# Altium PCB Cyber_VCM.PcbDoc (continued)
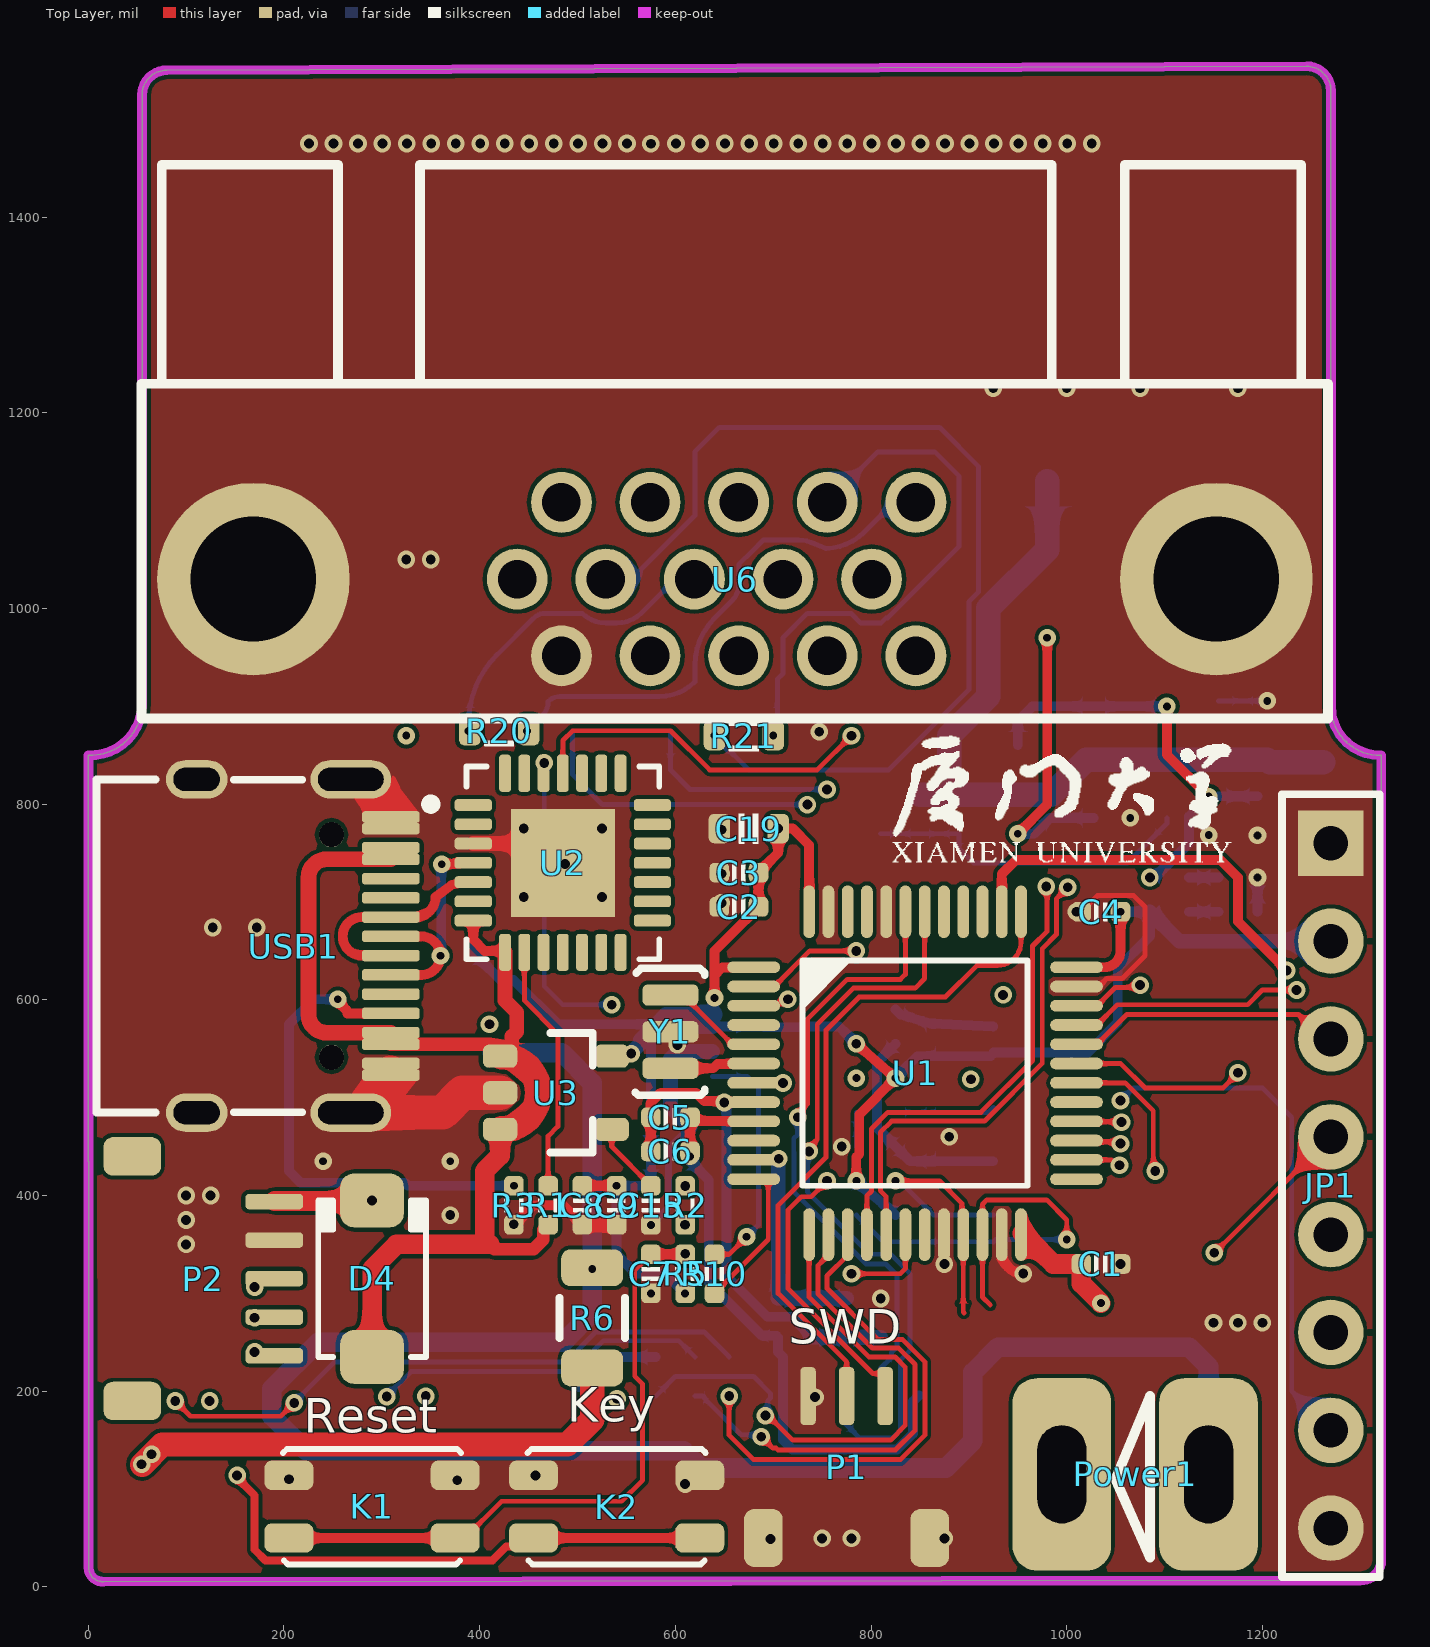
[diagram p0: Top Layer view]
## Footprints (in the part's own frame and the unit in brackets; to place one, negate y for a bottom-side part, rotate by r counter-clockwise, add the part's x,y. Pads: shape width x height; smd on the part's side, far side on the other; paste and mask are expansions set on the pad) (continued)
  rrect50% 12x38 smd mask+5: 8(-59.06,-91.5) 9(-39.37,-91.5) 10(-19.68,-91.5) 11(0,-91.5) 12(19.68,-91.5) 13(39.37,-91.5) 14(59.06,-91.5) 22(59.06,91.5) 23(39.37,91.5) 24(19.68,91.5) 25(0,91.5) 26(-19.68,91.5) 27(-39.37,91.5) 28(-59.06,91.5)
  rect 106.3x110.24 smd: 29(0,0)
  silkscreen extent -140,-98 98,98, body extent -98,-98 98,98, height 35
RES_0402 [mil]
  rrect50% 20x20 smd: 1(-20,0) 2(20,0)
  silkscreen extent -7,-10 7,10, body extent -20,-10 20,10, height 14
RES_0603 [mil]
  rrect50% 22x30 smd: 1(-30,0) 2(30,0)
  silkscreen extent -15,-16 15,16, body extent -31,-16 32,16, height 18
SH1.0-3P [mm]
  rrect50% 0.4x1.5 smd: 1(-1,0) 2(0,0) 3(1,0)
  rrect50% 1x1.5 smd: SH1(-2.159,-3.683) SH2(2.159,-3.683)
  body extent -2.5,-4.42 2.5,0.54, height 3.06
SH1.0-4P [mm]
  rrect50% 0.6x1.9 smd: 1(-1.5,1.8) 2(-0.5,1.8) 3(0.5,1.8) 4(1.5,1.8)
  rrect50% 1.4x1.8 smd: SH1(-2.8,-1.8) SH2(2.8,-1.8)
  silkscreen extent -2.9,-2.67 2.9,1.6, body extent -3,-2.79 3,2.16, height 2.96
SH1.0-5P [mm]
  rrect50% 0.4x1.5 smd: 1(-2,0) 2(-1,0) 3(0,0) 4(1,0) 5(2,0)
  rrect50% 1x1.5 smd: SH1(-3.175,-3.683) SH2(3.175,-3.683)
  body extent -3.5,-4.42 3.5,0.54, height 3.06
SOP16 [mm]
  rect 0.6x1.2 smd: 1(-4.318,-2.727) 2(-3.048,-2.727) 3(-1.778,-2.727) 4(-0.508,-2.727) 5(0.762,-2.727) 6(2.032,-2.727) 7(3.302,-2.727) 8(4.572,-2.727) 9(4.572,2.773) 10(3.302,2.773) 11(2.032,2.773) 12(0.762,2.773) 13(-0.508,2.773) 14(-1.778,2.773) 15(-3.048,2.773) 16(-4.318,2.773)
  silkscreen extent -4.44,-1.27 -4.19,-1.02, body extent -4.87,-3 5.13,3, height 1.9
"SOP65 P640X120-8N" [mm]
  rrect25% 1.27x0.381 smd: 1(-2.87,0.975) 2(-2.87,0.325) 3(-2.87,-0.325) 4(-2.87,-0.975) 5(2.87,-0.975) 6(2.87,-0.325) 7(2.87,0.325) 8(2.87,0.975)
  silkscreen extent -2.64,-1.5 2.2,1.62, body extent -3.2,-1.5 3.2,1.5, height 1.2
SOT23-5 [mm] "SOT23, 3-Leads, Body 3.1x3.0mm (max), Pitch 0.95mm, IPC Medium Density"
  rrect50% 0.889x0.6 smd: 1(-1.5,0.95) 2(-1.5,0) 3(-1.5,-0.95) 4(1.396,-0.95) 5(1.396,0.95)
  silkscreen extent -0.2,-1.55 0.9,1.55, body extent -1.48,-1.45 1.32,1.45, height 1.2
TP-R30 [mil]
  round 30 smd paste-30 mask+3: 1(0,0)
  body extent -18,-18 18,18, height 10
TX60电源 [mil] "长：18.8mm， 宽：16mm，高：8.6mm"
  rrect50% 100.85x196.85 hole 100 slot 50 at 0 deg: 1(-75,-5) 2(75,-5)
  silkscreen extent -15,-85 20,80
Type-C-TOP [mm]
  round 0.65 hole 0.65: 0(-0.98,2.89) 0(-0.98,-2.89)
  oval 1.6x1 hole 0.6 slot 1.2 at 0 deg: 1(2.52,4.325) 2(2.52,-4.325)
  oval 2.1x1 hole 0.6 slot 1.7 at 0 deg: 3(-1.48,-4.325) 4(-1.48,4.325)
  rrect50% 1.5x0.3 smd: A1(-2.52,-3.35) A4(-2.52,-2.55) A5(-2.52,-1.25) A6(-2.52,-0.25) A7(-2.52,0.25) A8(-2.52,1.25) A9(-2.52,2.55) A12(-2.52,3.35) B1(-2.52,3.05) B4(-2.52,2.25) B5(-2.52,1.75) B6(-2.52,0.75) B7(-2.52,-0.75) B8(-2.52,-1.75) B9(-2.52,-2.25) B12(-2.52,-3.05)
  silkscreen extent -0.22,-4.33 5.12,4.33, body extent -2.57,-4.48 5.18,4.48, height 3.26
VGA15A [mm] "15针通讯接口"
  round 1.58 hole 1: 1(4.6,0) 2(2.3,0) 3(0,0) 4(-2.3,0) 5(-4.6,0) 6(5.75,-1.992) 7(3.45,-1.992) 8(1.15,-1.992) 9(-1.15,-1.992) 10(-3.45,-1.992) 11(4.6,-3.984) 12(2.3,-3.984) 13(0,-3.984) 14(-2.3,-3.984) 15(-4.6,-3.984)
  round 5 hole 3.25: 16(12.6,-1.992) 17(-12.4,-1.992)
  silkscreen extent -15.3,-12.75 15.5,1.63, body extent -15.4,-12.39 15.4,1.08, height 10.75
晶振-3P [mm] "贴片晶振"
  rrect50% 0.55x1.45 smd: 1(-0.95,0) 2(0,0) 3(0.95,0)
  silkscreen extent -1.65,-0.89 1.65,0.91, body extent -1.6,-0.89 1.65,0.89, height 0.7

## Part data
C1 C2 C3 C4 C5 C6 C7 C8 C9 C10 C11 C12 C15 C16 C17 C18 C20: library part 电容-0402, "Capacitor"
C13 C14 C19: library part 电容-0603, "Capacitor"
D1 D4: library part Diode_SMA, "Diode", Type=SMA
D2 D3 D5 D6: library part LED_0402, "LED", Type=0402
JP1: library part "Header 8", "8P接插件", BOM名称=8P接插件, 学习资源=www.ooocke.com, 版权归属=源创客
K1 K2: library part ButtonTACT, "Button", Type="TACT 4P"
L1: library part 电感-0805, "磁珠"
OLED1: "12880寸OLED"
P1: "Header"
Power1: "12~24VDC电源"
R1 R2 R3 R4 R5 R7 R8 R9 R10 R11 R12 R13 R14 R15 R16 R17 R18 R19 R23: library part 电阻-0402, "Resistor"
R6: library part 电阻-1206, "Resistor"
R20 R21: library part 电阻-0603, "Resistor"
R22: "THERMISTOR 10K OHM NTC 0402 SMD"
TP1: "SMD test pin"
U1: "ARM Cortex-M3 32-bit MCU, 128 KB Flash, 20 KB Internal RAM, 37 I/Os, 48-pin LQFP, -40 to 85 degC, Tray", I/Os (High Current)=37, Operating Frequency(F) (Processor speed) (MHz)=72, Supplier Part Number 1=497-6288-ND, Supply Voltage(Vcc) min (V)=2, A/D Converter="2x12-bit (10 Channel)", ComponentLink1Description="Manufacturer URL", ComponentLink1URL=http://www.st.com/web/en/home.html, ComponentLink2Description=Datasheet, ComponentLink2URL=http://www.st.com/st-web-ui/static/active/en/resource/technical/document/datasheet/CD00161566.pdf, ComponentLink3Description="Package Specification", ComponentLink3URL=http://www.st.com/st-web-ui/static/active/en/resource/technical/document/datasheet/DM00058181.pdf, Core="ARM Cortex-M3", DatasheetVersion="Rev. 16", FLASH Size (Prog) (kB)=128, Internal RAM Size (kB)=20, Mounting Technology="Surface Mount", PackageDescription="48-Pin Low Profile Quad Flat Package, 7 x 7 mm Body, 0.5 mm Pitch", PackageReference=LQFP48, PackageVersion="Rev. 6, 06/2013", Packing=Tray, PartNumber=STM32F103CBT6, Supplier 1=Digi-Key, Supplier 2=Farnell, Supplier 3=Newark, Supplier 4=Newark, Supplier 5=Mouser, Supplier Part Number 2=1606327, Supplier Part Number 3=11N8296, Supplier Part Number 4=57P1214, Supplier Part Number 5=511-STM32F103CBT6
U2: "USB转TTL", MFG #1="SILICON LABS", PART DESC="SINGLE-CHIP USB TO UART BRIDGE, QFN28, RoHS.", PART NUMBER=CP2102, RefDes=RefDes, Type=DEV
U3: library part LP2992, "LDO"
U4: "-4 to 80V, bidirectional, ultra-precise current sense amplifier with enhanced PWM rejection 8-TSSOP -40 to 125", Package="TSSOP-8 Texas Instruments", Availability=Good, MF="Texas Instruments", MP=INA240A2PWR, Price=None, Purchase-URL=https://pricing.snapeda.com/search/part/INA240A2PWR/?ref=eda, SnapEDA_Link=https://www.snapeda.com/parts/INA240A2PWR/Texas%20Instruments/view-part/588604/?ref=snap
U5: "AM26C32 Quadruple Differential Line Receiver"
USB1: library part USB-Type-C-TOP
Y1: library part 晶振-3Pin, "村田贴片"
P3: BOM名称=4P接插件, 厂商=JST

## Via types
v1: diameter 18, hole 10, Top Layer to Bottom Layer, tented both sides, 128 vias
v2: diameter 18, hole 8, Top Layer to Bottom Layer, tented both sides, 35 vias

## Nets (pads, with @x,y where several pads share a name; then routed paths per layer and width w, separated by ;. In a path a pad name is that pad's centre, name@x,y a point inside that pad or via, vN(x,y) a via of type N, cw(c..) or ccw(c..) an arc to the next point about the centre after c; other vN are vias at no path point)
3V3: C1.2 C2.2 C3.2 C4.2 C8.2 C9.2 C17.2 C19.2 D2.1 D5.1 D6.1 JP1.2 OLED1.4 R5.2 R7.2 R8.2 R9.2 R14.2 R15.2 U1.1 U1.24 U1.36 U1.48 U3.5 U4.5 U4.6 U5.16 U6.2 | length 4200.4
  Top Layer w10: C8.2 v2(540,410) ; v2(639.98,602) 639.98,624.98 ; U1.1 679.62,632.89 647.89,632.89 640,625 ; U1.48 736.73,758.27 720,775 v1(705,775) 705,750 C3.2 C2.2 640,650 640,625 ; v2(785,415) 785,439.54 788,442.54 788,483 v2(825,520) v1(785,555) ; U1.24 953.27,343.06 U1.24@954.19,342.14 ; U1.36 1038.27,633.27 ccw(c1038.27,650) 1055,650 v2(1055,690)
  Top Layer w20: U1.24@954.84,361.57 986.4,330 C1.2 1015,310 v2(1035,290)
  Signal w15: U6.2 574.17,850.83 610,815 690,815 705,800 v1(705,775)
  Signal w20: v1@123.46,190.43 123.46,303.46 149.5,329.5 459.5,329.5 v2(540,410) ; v1@123.96,188.93 153.39,159.5 309.5,159.5 v1(345,195) 537.57,195 v1(540.4,192.17)
  Signal w25: v1(540.4,192.17) 593.22,245 990,245 v2(1035,290)
  Bottom Layer w10: U5.16 395,646.65 421.29,620.36 434.64,620.36 480,575 580.3,575 ; 590,575 575,560 C17.2 R15.2 575,415.86 569.14,410 v2(540,410) 540,340 560,320 590,320 v2(610,300) ; U4.6 689.83,572.8 690.62,572 728.52,572 729.31,572.8 767.2,572.8 v1(785,555) ; 637.99,585 U4.5 637.99,600.01 v2(639.98,602) ; v2(785,415) 790,410 820,385 R7.2 ; R14.2@820,525 v2(825,520) 847.36,542.36 922.13,542.36 925,545.24 OLED1.4@925.24,545 ; OLED1.4@925.24,546.26 1021.72,546.26 1052.1,576.64 1052.1,632.1 1085,665 D6.1 v2(1055,690)
  Bottom Layer w15: v1(555,545) 555,545.81 564.32,555.13 564.32,559.02 580.3,575 590.3,585 627.71,585 ; 590,575 610.01,575 612.22,572.8 U4.6 ; D6.1 1115,660 JP1.2
  Bottom Layer w20: 627.71,585 637.99,585
  other v1: 123.96,189.93
5V: C10.2 C11.2 D3.1 D4.2 L1.1 OLED1.2 P2.1 TPS1.4 TPS1.5 | length 1534.5
  Top Layer w10: P2.1 P2.1@190.63,394.37 ; D4.2@289.37,394.37 v1(290,395) ; v2(1102.4,899.94) 1102.4,850.44 v2(1145.15,807.68)
  Top Layer w20: P2.1@190.63,394.37 D4.2@289.37,394.37
  Signal w10: v1(290,395) 525,630 935,630 ; v1(935,605) 935,630 ; v1(1085,725) 1055,725 1035,705 1035,645 1020,630 935,630
  Bottom Layer w10: L1.1 950,885 964.94,899.94 TPS1.4 v2(1102.4,899.94) ; D3.1@1087.66,722.66 1125,760 1125,787.53 v2(1145.15,807.68) ; C10.2 C11.2
9V: C12.2 C13.2 C14.2 D1.2 R11.2 TP1.1 | length 798.1
  Bottom Layer w5: C13.2 C13.2@1207.75,842.75 ; TP1.1@1262.25,842.75 TP1.1
  Bottom Layer w25: R11.2 C12.2 ; D1.2 980,1060 920,1000 920,910 880,870 880,819.53 C12.2 ; C13.2 C14.2 1019.87,845.5 984.06,809.68 C12.2 ; C13.2@1207.75,842.75 TP1.1@1262.25,842.75
A+: R20.2 U5.1 U6.8 | length 321.9
  Bottom Layer w5: v2(388.53,874.87) 388.53,882.11 cw(c488.53,882.11) 417.82,952.82 455,990 cw(c467.07,977.93) 467.07,995 505,995 ccw(c529.14,1019.14) 529.14,985 540,985 ccw(c540,1021.21) 565.61,995.61 586.25,1016.25 cw(c619.45,983.05) U6.8
A-: R20.1 U5.2 U6.15 | length 535.6
  Bottom Layer w5: v2(448.53,874.87) 463.88,890.22 ccw(c449.1,905) 470,905 cw(c482.07,892.93) 482.07,910 583.79,910 ccw(c583.79,961.21) 620,925 620,941.72 cw(c688.28,941.72) 640,990 657.93,1007.93 ccw(c640.86,1025) 665,1025 665,1045 679.14,1059.14 690,1070 725.86,1070 cw(c725.86,1035.86) 738.92,1067.4 ; 738.97,1067.38 753.37,1061.42 754.37,1061.42 ccw(c754.37,1066.42) 754.45,1061.42 ccw(c753.4,1116.96) 792.68,1077.68 807.58,1092.58 cw(c845.83,1054.34) U6.15
AGND: C5.1 C6.1 C20.1 R4.1 R23.1 U1.8 | length 526.7
  Top Layer w10: C6.1 C5.1 575,495 585,505 621,505 629.47,496.53 648.47,496.53 v1(650,495) 650.24,495.24 679.76,495.24 U1.8
  Bottom Layer w5: v1(650,495) v1@650.98,494.02
  Bottom Layer w10: v1@652.31,493.5 651.53,492.72 651.53,487.81 652.31,487.03 652.31,317.89 694.2,276 719,276 C20.1
  Bottom Layer w15: v1@650.98,494.02 651.39,494.43 v1@652.31,493.5 ; C20.1 R23.1 R4.1
AVCC: C5.2 C6.2 P3.1 R15.1 R22.2 U1.9 | length 630.2
  Top Layer w10: v2(615,440) C6.2 C5.2 618.83,476.17 679.62,476.17 U1.9
  Bottom Layer w10: v2(615,440) R15.1 634.14,415.86 634.14,310.86 688.36,256.64 703.36,256.64 R22.2 705,240 710,235 710,150 719.54,140.46 826.72,140.46 842.8,156.54 842.8,189.61 P3.1
AVCC_C: C20.2 R22.1 R23.2 U1.11 | length 212.9
  Bottom Layer w5: R22.1 R22.1@705.29,295.29 ; v1@705.29,437.37 v1(705.58,437.66)
  Bottom Layer w15: R22.1 C20.2 R23.2 ; R22.1@705.29,295.29 v1@705.29,437.37
B+: R21.2 U5.6 U6.7 | length 1043.1
  Bottom Layer w5: U6.7 555,1030 ccw(c555,1039.24) 564.24,1039.24 620,1095 620,1160 645,1185 870,1185 910,1145 910,1016.87 900,1006.87 900,916.87 818.13,835 675,835 656.12,853.88 654.31,853.88 640,868.19 v2(640,870)
B-: R21.1 U5.7 U6.14 | length 569.1
  Bottom Layer w5: v2(700,870) 704.31,874.31 704.31,927.72 710,933.41 710,970 735,995 779.54,995 789.54,985 810,985 815.4,990.4 816.95,990.4 890,1063.44 890,1135 865,1160 806.85,1160 U6.14
CP_Rx: U1.30 U2.25 | length 1429.8
  Top Layer w5: U2.25 485,865 495,875 595,875 635,835 745,835 v1(780,870) ; U1.30 1059.84,515.16 1088.5,486.5 1088.5,427 v1(1090.5,425)
  Signal w5: v1(780,870) 1115,870 1170,815 1170,695 1200.5,664.5 1200.5,445.5 1180,425 v1(1090.5,425)
CP_Tx: R2.1 U1.31 | length 994.6
  Top Layer w5: U1.31 1055.16,534.84 1080,510 1160,510 1175,525 v1(1175,525.5)
  Signal w5: v1(610,370) 634.5,394.5 634.5,526.54 635,527.04 635,565 655,585 732.96,585 733.46,585.5 814.88,585.5 829.39,570.98 1020.07,570.98 1033.09,584 1156,584 1175,565 v1(1175,525.5)
CS: JP1.3 U1.32 | length 283
  Top Layer w5: U1.32 1031,554.53 1061.47,585 1237.07,585 1262.07,560 JP1.3
DIR: JP1.7 U1.18 | length 999.1
  Top Layer w5: v1(780,320) 830,320 835.16,325.16 U1.18
  Signal w5: v1(780,320) 830,320 911,401 911,451 935,475 1033,475 v1(1055,497)
  Bottom Layer w5: v1(1055,497) 1068,510 1200,510 1230,480 1230,200 JP1.7
DRV_FAULT: JP1.4 U1.3 | length 1095.4
  Top Layer w5: U1.3 702.89,593.9 707.01,598.01 712.51,598.01 v1(715,600.5) ; v1(1150.72,341.54) 1151.13,341.54 1269.59,460 JP1.4
  Signal w5: v1(715,600.5) 715.5,600 813.11,600 833.12,579.98 1016.35,579.98 1031.36,595 1157.73,595 1190.5,562.23 1190.5,518.58 1176.92,505 1095,505 1075,485 1075,355 1087.93,342.07 v1@1152.07,342.07
Encode_A: U1.16 U5.3 | length 1107
  Top Layer w5: U1.16 795.79,399.76 800.5,404.47 800.5,468.23 817.27,485 912.27,485 965,537.73 965,655 980,670 980,714.87 v1(979,715.87)
  Signal w5: v1(735,799.5) 965.5,799.5 979,786 v1(979,715.87)
  Bottom Layer w5: U5.3 495,830 525.5,799.5 v1(735,799.5) ; v1(979,715.87) v1@980,716.87
Encode_B: U1.17 U5.5 | length 1035.8
  Top Layer w5: U1.17 815.47,398.88 809.5,404.85 809.5,464.5 821,476 916,476 975,535 975,652.27 989.5,666.77 989.5,703.11 1000.98,714.59 v1(1000.98,714.96)
  Signal w5: v1(755,815) 980,815 1000.98,794.02 v1(1000.98,714.96)
  Bottom Layer w5: U5.5 595,835 615,815 v1(755,815) ; v1(1000.98,714.96) v1@1000.98,716.33
GND: C1.1 C2.1 C3.1 C4.1 C7.1 C8.1 C9.1 C10.1 C11.1 C13.1 C14.1 C15.2 C16.1 C17.1 C18.1 C19.1 JP1.1 JP1.8 K1.2 K1.4 K2.2 K2.4 OLED1.7 OLED1.9 OLED1.12 P1.1 P1.SH1 P1.SH2 P2.2 P3.4 P3.SH1 P3.SH2 R3.2 R4.2 R12.2 R13.1 R17.2 R19.2 TPS1.2 U1.20 U1.23 U1.35 U1.44 U1.47 U2.3 U2.29 U3.2 U4.4 U4.7 U5.8 U6.1 U6.16 U6.17 USB1.1 USB1.2 USB1.3 USB1.4 USB1.A1 USB1.A12 USB1.B1 USB1.B12 Y1.2 | length 1161.5
  Top Layer w5: USB1.3 USB1.3@270.83,825.28 ; USB1.A12@309.21,525.67 USB1.B1 ; USB1.B12 USB1.A1 ; v1(434.74,370.7) R3.2@435.7,370.7 ; U2.29@465.32,759.68 cw(c465.32,740) U2.29 ; U1.23@933.58,342.16 U1.23 ; U1.35 1032.89,613.58 1041.08,621.77 1056.77,621.77 1080,645 1080,695 1068.5,706.5 1031.5,706.5 C4.1 v1(1010,690)
  Top Layer w10: R3.2@435.7,370.7 455,390 485,390 C8.1 ; U1.23@933.58,342.16 ccw(c955.6,342.16) v1(955.6,320.14)
  Top Layer w15: U2.3 U2.29@465.32,759.68 ; C8.1 C9.1
  Top Layer w35: USB1.3@270.83,825.28 cw(c270.83,786.89) USB1.A1 ; USB1.A12@309.21,525.67 cw(c268.27,525.67) USB1.4 362.11,484.72 382.38,505 U3.2
  Bottom Layer w5: C16.1 R12.2 ; C14.1 v2(1205,905.5)
  Bottom Layer w7: v2(575,370) 592.93,387.93 592.93,447.93 C17.1
  Bottom Layer w10: R19.2 v2(1195,725)
  Bottom Layer w15: C17.1 595,490 595,540 602.2,547.2 U4.7
  other v1: 697.11,48.91 750,49.5 780,49.5 875,49.5 610,105 377.11,108.91 205,110 457.11,113.91 742.74,193.91 1150,270 1175,270 1200,270 810,294.68 875,330 1055,330 100,350 100,375 370,380 100,400 125,400 770,450 880,460 602.11,553.91 127.11,673.91 172.11,673.91 647.11,698.91 445,705 525,705 647.11,728.91 487.11,738.91 647.11,773.91 445,775 525,775 747.11,873.91 325,1050 350,1050 925,1225 1000,1225 1075,1225 1175,1225 225.62,1475.17 250.62,1475.17 275.62,1475.17 300.62,1475.17 325.62,1475.17 350.62,1475.17 375.62,1475.17 400.62,1475.17 425.62,1475.17 450.62,1475.17 475.62,1475.17 500.62,1475.17 525.62,1475.17 550.62,1475.17 575,1475 600.62,1475.17 625.62,1475.17 650.62,1475.17 675.62,1475.17 700.62,1475.17 725.62,1475.17 750.62,1475.17 775.62,1475.17 800.62,1475.17 825.62,1475.17 850.62,1475.17 875.62,1475.17 900.62,1475.17 925.62,1475.17 950.62,1475.17 975.62,1475.17 1000.62,1475.17 1025.62,1475.17
  other v2: 575,300 240,435 370,435 1145.16,768.32 1195,768 1065,785.94
I2C_SCL: P3.3 U1.42 | length 772.9
  Top Layer w5: v1(736.55,445.1) 736.55,448.62 745,457.07 745,575 781.9,611.9 845,611.9 854.84,621.74 U1.42
  Bottom Layer w5: v1(736.55,445.1) 735,443.55 735,403.74 798.74,340 820,340 840,320 840,241.76 830,231.76 830,160 821.96,151.96 788.63,151.96 770.32,170.27 P3.3
I2C_SDA: P3.2 U1.43 | length 635.5
  Top Layer w5: v1(725,480) 725,483.33 735,493.33 735,580 775.9,620.9 830,620.9 835.16,626.06 U1.43
  Bottom Layer w5: 721.05,444.12 721.05,458.32 725,462.28 v1(725,480) ; 721.08,444.08 721.08,403.92 795,330 815,330 826.5,318.5 826.5,245.24 821,239.74 821,234.61 809.68,223.3 P3.2
KEY: K2.1 K2.3 U1.2 | length 1727
  Top Layer w5: U1.2 701,613.58 737.42,650 v1(785,650)
  Top Layer w8: v1(152.11,113.91) 152.11,111.2 170,93.31 170,38.08 181.08,27 413.02,27 427.22,41.2 436.2,41.2 K2.3@445,50
  Top Layer w10: K2.3@445,50 K2.3 K2.1
  Signal w5: v1(152.11,113.91) 151.02,115 125,115 105,135 105,315 203.13,413.13 291.87,413.13 528.74,650 v1(785,650)
LED1: R16.2 U1.13 | length 568.4
  Top Layer w5: v1(692,175.05) 694.95,175.05 720,150 820,150 835,165 835,224.54 824.54,235 797.73,235 736.73,296 U1.13
  Bottom Layer w5: R16.2 600,215 680,215 697.11,197.89 697.11,192.89 694.49,190.26 694.49,177.54 v1(692,175.05)
LED2: R18.2 U1.14 | length 517.3
  Top Layer w5: v1(687.84,153.45) 688.02,153.45 699.59,141.87 703.13,141.87 705,140 825,140 845,160 845,227.27 828.27,244 801.46,244 745.73,299.72 745.73,328.31 756.42,339 U1.14
  Bottom Layer w5: R18.2 627.64,195 667.14,155.5 685.78,155.5 v1(687.84,153.45)
MOTOR_A: Power1.1 R6.1 U4.2 | length 1928.9
  Bottom Layer w5: U4.2 U4.2@413.11,546.1 ; 483.9,546.1 485,545
  Bottom Layer w20: U4.2@413.11,546.1 483.9,546.1 ; 485,545 515,515 v2(515,325) 515,280 485,250 235,250 187.5,202.5 187.5,174.43 222.93,139 608.53,139 626.07,121.46 876.46,121.46 904.18,149.18 904.18,219.18 930,245 1125,245 1145,225 Power1.1
MOTOR_B: Power1.2 R6.2 U4.3 | length 2293.7
  Top Layer w10: R6.2 R6.2@515.86,222.92
  Top Layer w25: v1@55,125 75.5,145.5 489.61,145.5 514.9,170.79 514.9,221.96 R6.2@515.86,222.92
  Signal w25: v1(410,575) 405,570 261.23,570 260.72,570.52 236.45,570.52 235.93,570 90,570 55,535 55,125 105,75 958.04,75 995,111.96 Power1.2
  other v1: 54.48,125.32 64.73,135.57
NetC7_2: C7.2 K1.1 K1.3 R5.1 U1.7 | length 878.1
  Top Layer w5: K1.1 385,50 422.5,87.5 545,87.5 566.5,109 566.5,207.24 558.5,215.24 558.5,323.5 C7.2
  Top Layer w10: K1.3 K1.1 ; C7.2 R5.1
  Signal w10: v1(610.19,340.37) 660.1,390.27 660.1,465.1 v1(710,515)
NetC12_1: C12.1 R11.1 R13.2 TPS1.1 | length 336
  Bottom Layer w5: R13.2 R11.1 C12.1 889.84,754.68 904.53,740 1062.15,740 1102.4,780.26 TPS1.1
NetC15_1: C15.1 U3.4 | length 74.2
  Top Layer w5: U3.4 534.94,450.06 C15.1
NetC16_2: C16.2 OLED1.8 R8.1 | length 227
  Bottom Layer w10: R8.1 806,536 806,469 C16.2 840,435 OLED1.8@925,435
NetC18_2: C18.2 OLED1.3 | length 103.5
  Bottom Layer w10: C18.2 830,585 861.1,575.67 OLED1.3@925,572.8
NetD1_1: D1.1 L1.2 TPS1.3 | length 297
  Top Layer w10: v2(950,769.72) 980,799.72 v2(980,970)
  Bottom Layer w10: v2(950,769.72) 966.77,769.72 982.99,785.94 TPS1.3
NetD2_2: D2.2 R16.1 | length 91.9
  Bottom Layer w10: D2.2@500.93,204.07 531.87,235 R16.1
NetD3_2: D3.2 R17.1 | length 30
  Bottom Layer w10: D3.2 R17.1
NetD5_2: D5.2 R18.1 | length 345.7
  Bottom Layer w5: v1(305,194.5) D5.2 330,220 495,220 526.5,251.5 603.5,251.5 R18.1
NetD6_2: D6.2 R19.1 | length 30
  Bottom Layer w10: D6.2 R19.1
NetOLED1_5: OLED1.5 R14.1 | length 133.2
  Signal w5: v2(785,520) 805,500 883.2,500 v1(902.11,518.91)
NetOLED1_6: OLED1.6 R12.1 | length 102.1
  Bottom Layer w5: R12.1 919.88,485 OLED1.6@925,490.12
NetR1_2: R1.2 U2.9 | length 256.9
  Top Layer w5: U2.9 445.63,599.37 480,565 480,470.65 470,460.65 R1.2
NetR2_2: R2.2 U2.26 | length 521.6
  Signal w5: v1(535,595) 535,484.63 v1(610.05,409.58)
  Bottom Layer w5: v1(466,842.18) 466,614 485,595 v1(535,595)
NetR3_1: R3.1 USB1.B5 | length 509.7
  Top Layer w10: v2(255,600.5) 255,598.34 264.68,588.65 264.68,586.1 USB1.B5
  Bottom Layer w10: v2(255,600.5) 230.5,600.5 205,575 205,425 217,413 323.42,413 326.42,410 v2(435,410)
NetR10_1: R10.1 U4.8 | length 249.2
  Top Layer w5: R10.1 655,340 v2(672.81,357.81)
  Bottom Layer w5: U4.8 673.39,521.61 685,510 685,370 v2(672.81,357.81)
NetU1_5: U1.5 Y1.3 | length 113.5
  Top Layer w5: Y1.3 611.14,604.8 Y1.3@615.19,600.75 ; Y1.3@619.24,596.7 Y1.3@615.19,600.75 ; U1.5 658.18,554.53 615.19,597.51 Y1.3@615.19,600.75
NetU1_6: U1.6 Y1.1 | length 87
  Top Layer w10: Y1.1 638.54,530 643,534.46 679.62,534.46 U1.6
PWM: JP1.6 U1.38 | length 804.4
  Top Layer w10: U1.38 933.58,728.58 948,743 1157,743 1175,725 1175,680 v1(1225,630)
  Signal w10: v1(1225,630) 1225,627.84 1217,619.84 1217,313 JP1.6
SCL: OLED1.10 R9.1 U1.21 | length 304.9
  Top Layer w5: v2(825,415) 869.94,415 892.87,392.07 892.87,361.34 U1.21 894.21,280.79 895,280
  Bottom Layer w5: v2(825,415) 830.96,409.04 834.81,409.04 863.98,379.88 OLED1.10@925,379.88
SDA: OLED1.11 R7.1 U1.22 | length 450.2
  Top Layer w5: 921.85,288.15 913.9,296.1 U1.22 913.9,390.97 918.43,395.5 979.5,395.5 1000,375 v2(1000,355)
  Bottom Layer w5: R7.1 812.32,352.68 924.65,352.68 925,352.32 927.68,355 v2(1000,355)
SENSE_A: R10.2 U1.12 | length 152.6
  Top Layer w5: R10.2 695,355 695,413.5 691.77,416.73 U1.12
SLP: JP1.5 U1.33 | length 508.4
  Top Layer w5: U1.33 1031,574.21 1051.79,595 1185,595 1200,610 v1(1235,610)
  Signal w5: v1(1235,610) 1235,581.52 1230.04,576.55 1230.04,443.45 1270,403.48 JP1.5
SPI2_MISO: P2.4 U1.27 | length 1088.7
  Top Layer w5: U1.27 1011.34,454.76 1053.24,454.76 v1(1055,453)
  Signal w5: v1(170,275) 172,273 900.15,273 930,302.85 930,440 945,455 1053,455 v1(1055,453)
SPI2_MOSI: P2.3 U1.28 | length 1097.6
  Top Layer w5: U1.28 1010.41,475.38 1055.6,475.38 v1(1056,474.98)
  Signal w5: v1(170,306.5) 192,284.5 737.23,284.5 757.23,304.5 797.89,304.5 803.58,310.18 917.07,310.18 920,313.11 920,445 940,465 1042.65,465 1052.62,474.98 v1(1056,474.98)
SPI2_SCK: P2.5 U1.26 | length 1100.6
  Top Layer w5: U1.26 1046.06,436.42 1051.48,431 v1(1054,431)
  Signal w5: v1(170,240) 194,264 903.88,264 940,300.12 940,435 950,445 1041,445 1054,432 v1(1054,431)
SWCLK: P1.2 U1.37 | length 694.6
  Top Layer w5: P1.2 775,230 705,300 705,390 754,439 754,569 787.9,602.9 875.98,602.9 908.08,635 929.21,635 ccw(c929.21,659.06) 953.27,659.06 U1.37
SWDIO: P1.3 U1.34 | length 1535.8
  Top Layer w5: v1@757.49,417.49 v1(755,415) 738.76,398.76 728.76,398.76 715,385 715,305 801.93,218.08 809.11,218.08 814.37,212.81 P1.3 ; U1.34 1031,593.9 1049.87,612.77 1072.77,612.77 v1(1075,615)
  Signal w5: v1(755,415) 755,315 735,295 645,295 620,320 607.93,320 593.96,333.96 593.96,411.04 519.5,485.5 519.5,604.5 533.5,618.5 886.5,618.5 915.5,589.5 1013.14,589.5 1028.64,605 1063.79,605 1073.79,615 v1(1075,615)
USB-PWR-DM: U2.5 USB1.A7 USB1.B7 | length 221.3
  Top Layer w10: USB1.A7 279.84,645.16 cw(c279.84,665) 260,665 cw(c279.53,665) 279.53,684.53 USB1.B7 334.53,684.53 ccw(c334.53,705) 355,705 371.7,717.63 379.5,719.32 U2.5
USB-PWR-DP: U2.4 USB1.A6 USB1.B6 | length 250.4
  Top Layer w10: USB1.B6 340.47,625.47 ccw(c340.47,645) v2(360,645) ccw(c340.16,645) 340.16,664.84 USB1.A6 ; v2(361.26,738.59) 379.5,739 U2.4
  Bottom Layer w10: v2(360,645) 360.63,645.63 360.63,737.96 v2(361.26,738.59)
VBUS: D4.1 R1.1 U2.7 U2.8 U3.1 U3.3 USB1.A4 USB1.A9 USB1.B4 USB1.B9 | length 1196.4
  Top Layer w10: USB1.A9 USB1.B4 ; USB1.B9 USB1.A4 ; U2.7 393.5,661.5 405,650 424.94,650 U2.8@425.94,649 ; U3.3 U3.3@422.6,467.6 ; U3.1@422.6,542.4 U3.1 426.14,542.4 U3.1@432.89,549.14 ; R1.1@465,365 R1.1
  Top Layer w13: 410.06,350 415,345.06 454.94,345.06 465,355.11 R1.1@465,365
  Top Layer w14: USB1.A9 408.74,554.61 cw(c408.74,542.4) U3.1
  Top Layer w15: U2.8@425.94,649 425.94,599.25 438,587.2 438,567.54 432.89,562.43 U3.1@432.89,549.14
  Top Layer w16: USB1.B4 243.58,566.42 cw(c243.58,585) 225,585 225,725 cw(c243.58,725) 243.58,743.58 USB1.B9
  Top Layer w20: D4.1 290,325 315,350 410.06,350 405,355.06 405,424.84 420.94,440.79 U3.3
  Top Layer w27: U3.3@422.6,467.6 ccw(c422.6,505) 460,505 ccw(c422.6,505) U3.1@422.6,542.4
pads on no net: OLED1.1 OLED1.13 P2.SH1 P2.SH2 U1.4 U1.10 U1.15 U1.19 U1.25 U1.29 U1.39 U1.40 U1.41 U1.45 U1.46 U2.1 U2.2 U2.6 U2.10 U2.11 U2.12 U2.13 U2.14 U2.15 U2.16 U2.17 U2.18 U2.19 U2.20 U2.21 U2.22 U2.23 U2.24 U2.27 U2.28 U4.1 U5.4 U5.9 U5.10 U5.11 U5.12 U5.13 U5.14 U5.15 U6.3 U6.4 U6.5 U6.6 U6.9 U6.10 U6.11 U6.12 U6.13 USB1.0 USB1.A5 USB1.A8 USB1.B8
copper on no net: | length 1150
  Top Layer w5: v1(88.96,189.93) 104.46,174.43 196.7,174.43 210.27,188 v1(210.5,188) ; v1(655,195) 655,155 680,130 830,130 855,155 855,230 832,253 807,253 755,305 755,317.9 776.1,339 776.1,360
  Top Layer w10: 679.62,455.72 680,456.1
  Bottom Layer w5: v1(210.5,188) 210.5,188.5 252,230 488.33,230 518.83,260.5 629.5,260.5 655,235
  other v2: 325,870

## Polygon pours and split planes (outlines as drawn)
GND on Bottom Layer "Botton_GND" (solid, pour order 0): -7.21,19.23 -7.42,848.92 cw(c0,850) 0,857.5 0.64,857.48 ccw(c2.5,902.5) 47.5,900.19 47.5,1524.54 47.49,1524.98 cw(c80.01,1524.98) 79.98,1557.5 1245.26,1561.61 1245.28,1561.61 cw(c1245.28,1529.4) 1277.5,1529.4 1277.5,900 ccw(c1320,900) 1319.99,857.5 1321.56,857.5 cw(c1321.55,850) 1329.06,850 1329.02,26.59 1329.02,26.33 cw(c1300.83,27.3) 1300,-0.89 15.63,-2.23 cw(c15,19.99)
GND on Signal "Signal_GND" (solid, pour order 1): -7.21,19.23 -7.42,848.92 cw(c0,850) 0,857.5 0.64,857.48 ccw(c2.5,902.5) 47.5,900.19 47.5,1524.54 47.49,1524.98 cw(c80.01,1524.98) 79.98,1557.5 1245.26,1561.61 1245.28,1561.61 cw(c1245.28,1529.4) 1277.5,1529.4 1277.5,900 ccw(c1320,900) 1319.99,857.5 1321.56,857.5 cw(c1321.55,850) 1329.06,850 1329.02,26.59 1329.02,26.33 cw(c1300.83,27.3) 1300,-0.89 15.63,-2.23 cw(c15,19.99)
GND on GND "GND-GND" (solid, pour order 2): -7.21,19.23 -7.42,848.92 cw(c0,850) 0,857.5 0.08,857.5 cw(c0.08,850) 0.64,857.48 ccw(c2.5,902.5) 47.5,900.19 47.5,1524.54 47.49,1524.98 cw(c80.01,1524.98) 79.98,1557.5 1245.26,1561.61 1245.28,1561.61 cw(c1245.28,1529.4) 1277.5,1529.4 1277.5,900 ccw(c1320,900) 1319.99,857.5 1321.56,857.5 cw(c1321.55,850) 1329.06,850 1329.02,26.59 1329.02,26.33 cw(c1300.83,27.3) 1300,-0.89 15.63,-2.23 cw(c15,19.99)
GND on Top Layer "Top_GND" (solid, pour order 3): -7.21,19.23 -7.42,848.92 cw(c0,850) 0,857.5 0.64,857.48 ccw(c2.5,902.5) 47.5,900.19 47.5,1524.54 47.49,1524.98 cw(c80.01,1524.98) 79.98,1557.5 1245.26,1561.61 1245.28,1561.61 cw(c1245.28,1529.4) 1277.5,1529.4 1277.5,900 ccw(c1320,900) 1319.99,857.5 1321.56,857.5 cw(c1321.55,850) 1329.06,850 1329.02,26.59 1329.02,26.33 cw(c1300.83,27.3) 1300,-0.89 15.63,-2.23 cw(c15,19.99)

## Keep-outs
Keep-Out Layer:
  lines w10: 0,850 ccw(c2.5,902.5) 55,900 55,1525 cw(c80.01,1524.98) 80.01,1550 1245.28,1554.11 cw(c1245.28,1529.4) 1270,1529.4 1270,900 ccw(c1320,900) 1320,850 ; 0.08,850 0.28,19.48 ccw(c15,19.99) 15.51,5.28 1300.12,6.61 ccw(c1300.83,27.3) 1321.52,26.59 1321.55,850

## Silkscreen, mask and mechanical layers (free items; w line width, h text height)
Top Overlay:
  drawing of 1089 lines, arcs and shapes, not listed
  text "SWD" at 716,236.72 h60
  text "Key" at 489.61,156.77 h60
  text "Reset" at 220,145.61 h60
Bottom Overlay:
  lines w10: 270,40 545,40 ; 790,1305 1225,1305
  text "隔振系统音圈电机驱动器" at 750,1380.66 h60
  text "v1.1" at 155,1375 h40
  text "Cyber_VCM" at 1225,1336.91 h90
  text "Voice Coil Motor Controler" at 745,1305.72 h60
  text "IIC" at 914,236.72 h60
  text "AVCC SDA SCL GND" at 540.03,50.36 h30
  text "IIC" at 625,40.72 h60
Mechanical 1:
  lines w10: -4.92,849.12 cw(c0,850) 0,855 ; -4.92,849.12 cw(c0,850) 0,855 ; -4.92,849.12 -4.72,19.48 ; -4.71,19.31 ccw(c15,19.99) 15.59,0.27 1300.04,1.61 ccw(c1300.83,27.3) 1326.52,26.41 ccw(c1321.52,26.59) 1326.52,26.59 ; -4.71,19.31 cw(c0.28,19.48) -4.72,19.48 ; -4.71,19.31 cw(c0.28,19.48) -4.72,19.48 ; 0,855 cw(c0.08,850) 0.04,855 ; 0,855 cw(c0,850) 0.04,855 ; 0,855 0.08,855 ; 0.04,855 cw(c0.08,850) 0.08,855 ; 0.04,855 cw(c0,850) 0.08,855 ; 0.08,855 cw(c0.08,850) 0.49,854.98 ; 0.08,855 cw(c0.08,850) 0.49,854.98 ; 0.49,854.98 ccw(c2.5,902.5) 50,900.12 50,1524.62 ; 50,1524.62 cw(c54.99,1524.98) 49.99,1524.98 ; 50,1524.62 cw(c54.99,1524.98) 49.99,1524.98 ; 49.99,1524.98 cw(c80.01,1524.98) 79.99,1555 ; 80.01,1555 ccw(c80.01,1524.98) 79.99,1555 ; 79.99,1555 1245.27,1559.11 ; 79.99,1555 79.99,1555 ; 1245.27,1559.11 cw(c1245.28,1554.11) 1245.28,1559.11 ; 1245.27,1559.11 cw(c1245.28,1554.11) 1245.28,1559.11 ; 1245.28,1559.11 cw(c1245.28,1529.4) 1275,1529.4 1275,900 ccw(c1320,900) 1319.99,855 ; 1320,855 ccw(c1320,850) 1320,855 ; 1319.99,855 ccw(c1320,900) 1320,855 ; 1320,855 ccw(c1320,850) 1320,855 ; 1320,855 1321.56,855 ; 1319.99,855 1320,855 ; 1321.56,855 cw(c1321.55,850) 1326.56,850 ; 1321.56,855 cw(c1321.55,850) 1326.56,850 ; 1326.52,26.59 ccw(c1321.52,26.59) 1326.52,26.59 ; 1326.52,26.59 1326.56,850 ; 1326.56,850 ccw(c1321.55,850) 1326.56,850 ; 1326.56,850 ccw(c1321.55,850) 1326.56,850